# Altium PCB Board_EP1C6T144I8N.PcbDoc (part 1 of 2) (continued)
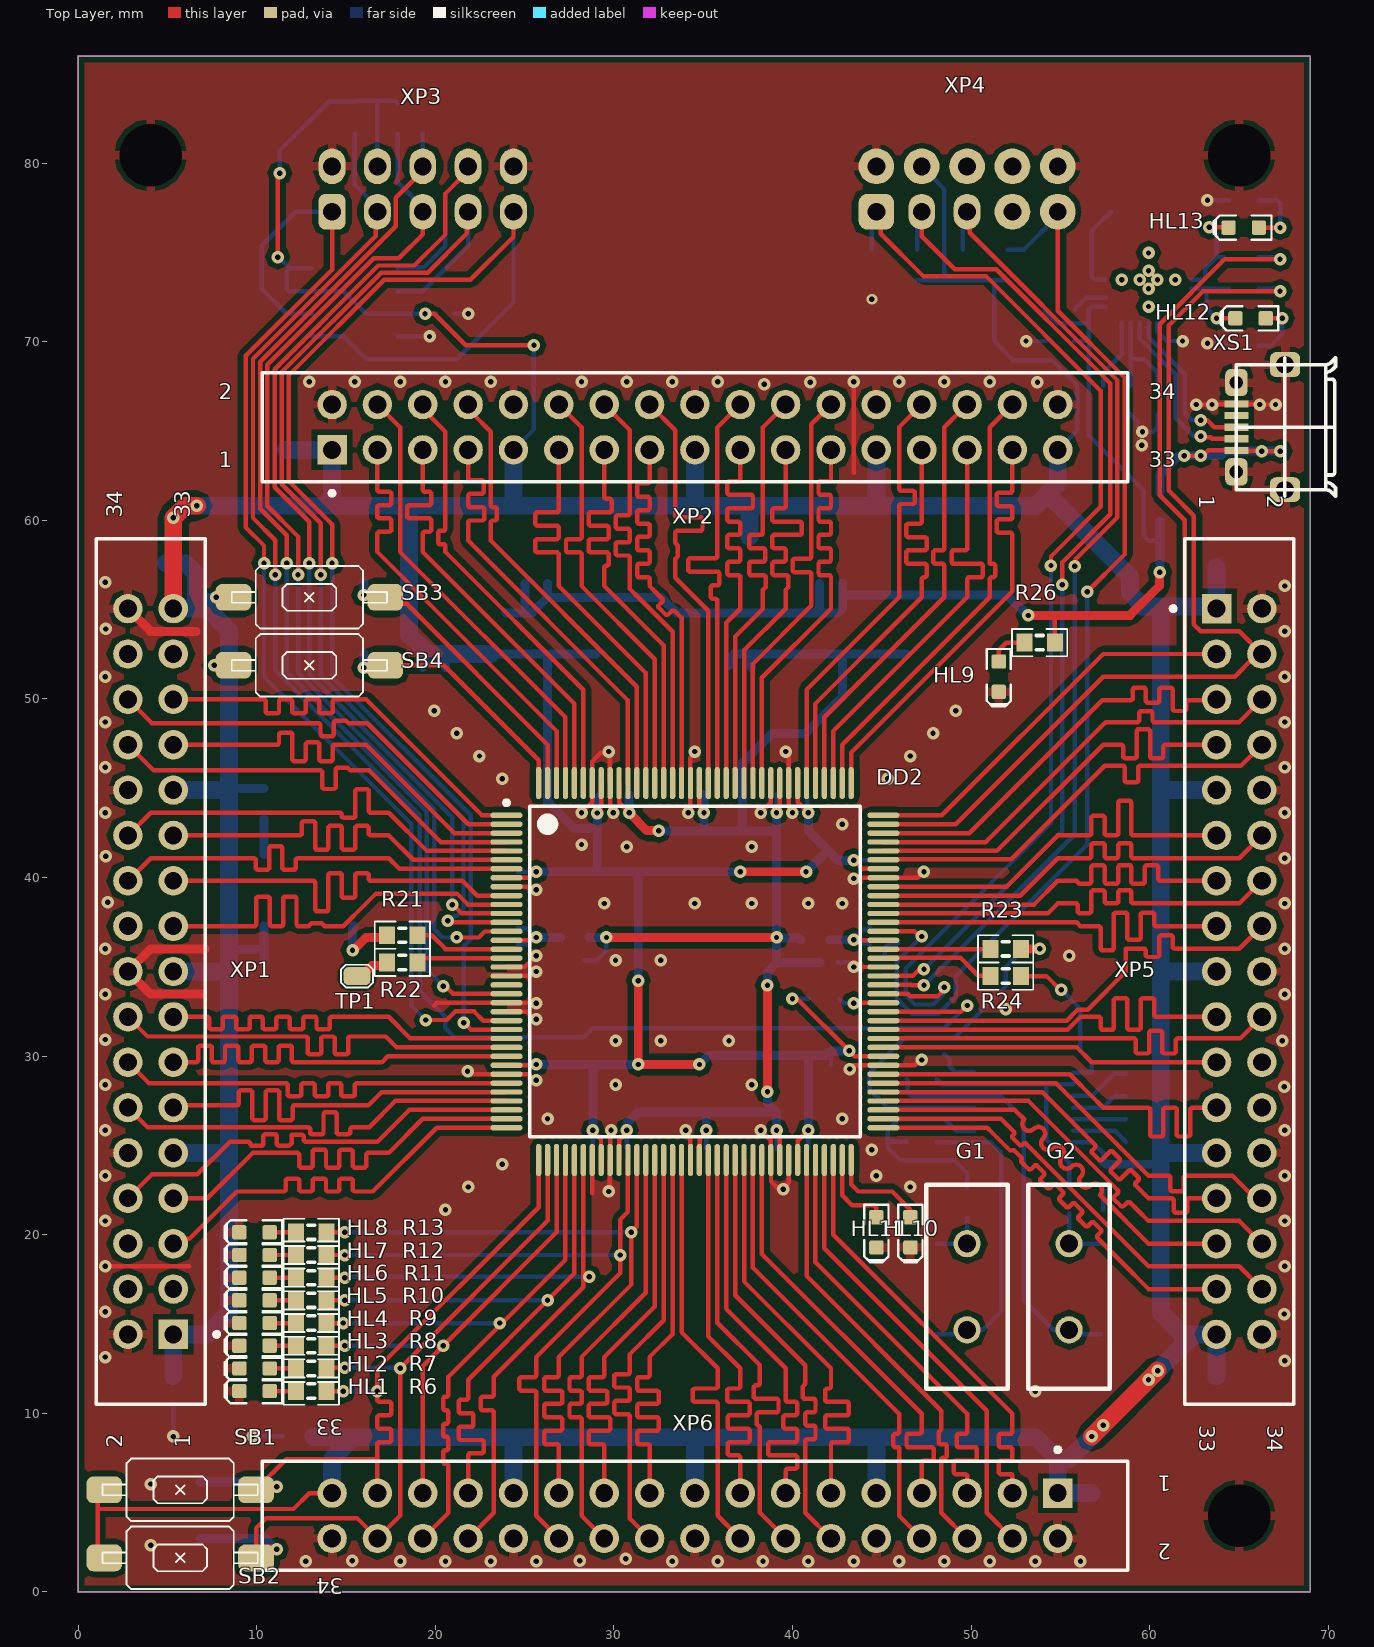
[diagram p0: Top Layer view]
## Footprints (in the part's own frame and the unit in brackets; to place one, negate y for a bottom-side part, rotate by r counter-clockwise, add the part's x,y. Pads: shape width x height; smd on the part's side, far side on the other; paste and mask are expansions set on the pad) (continued)
  silkscreen extent -2.53,-2.5 0.9,2.88, body extent -2,-2.5 2,2.5, height 1.75
SOT223_M [mm] "SOT223, 4-Leads, Body 6.5x3.5mm, Pitch 2.3mm, Lead Span 7mm, IPC Low Density"
  rect 2.7x1 smd: 1(-2.95,2.3) 2(-2.95,0) 3(-2.95,-2.3)
  rect 2.7x3.3 smd: 4(2.95,0)
  silkscreen extent -3.07,-3.35 1.3,3.47, body extent -3.65,-3.35 3.65,3.35, height 1.7
TQFP144_N [mm] "Thin QFP, 144-Leads, Body 20x20mm, Pitch 0.5mm, IPC Medium Density"
  oval 1.8x0.3 smd: 1(-10.55,8.75) 2(-10.55,8.25) 3(-10.55,7.75) 4(-10.55,7.25) 5(-10.55,6.75) 6(-10.55,6.25) 7(-10.55,5.75) 8(-10.55,5.25) 9(-10.55,4.75) 10(-10.55,4.25) 11(-10.55,3.75) 12(-10.55,3.25) 13(-10.55,2.75) 14(-10.55,2.25) 15(-10.55,1.75) 16(-10.55,1.25) 17(-10.55,0.75) 18(-10.55,0.25) 19(-10.55,-0.25) 20(-10.55,-0.75) 21(-10.55,-1.25) 22(-10.55,-1.75) 23(-10.55,-2.25) 24(-10.55,-2.75) 25(-10.55,-3.25) 26(-10.55,-3.75) 27(-10.55,-4.25) 28(-10.55,-4.75) 29(-10.55,-5.25) 30(-10.55,-5.75) 31(-10.55,-6.25) 32(-10.55,-6.75) 33(-10.55,-7.25) 34(-10.55,-7.75) 35(-10.55,-8.25) 36(-10.55,-8.75) 73(10.55,-8.75) 74(10.55,-8.25) 75(10.55,-7.75) 76(10.55,-7.25) 77(10.55,-6.75) 78(10.55,-6.25) 79(10.55,-5.75) 80(10.55,-5.25) 81(10.55,-4.75) 82(10.55,-4.25) 83(10.55,-3.75) 84(10.55,-3.25) 85(10.55,-2.75) 86(10.55,-2.25) 87(10.55,-1.75) 88(10.55,-1.25) 89(10.55,-0.75) 90(10.55,-0.25) 91(10.55,0.25) 92(10.55,0.75) 93(10.55,1.25) 94(10.55,1.75) 95(10.55,2.25) 96(10.55,2.75) 97(10.55,3.25) 98(10.55,3.75) 99(10.55,4.25) 100(10.55,4.75) 101(10.55,5.25) 102(10.55,5.75) 103(10.55,6.25) 104(10.55,6.75) 105(10.55,7.25) 106(10.55,7.75) 107(10.55,8.25) 108(10.55,8.75)
  oval 0.3x1.8 smd: 37(-8.75,-10.55) 38(-8.25,-10.55) 39(-7.75,-10.55) 40(-7.25,-10.55) 41(-6.75,-10.55) 42(-6.25,-10.55) 43(-5.75,-10.55) 44(-5.25,-10.55) 45(-4.75,-10.55) 46(-4.25,-10.55) 47(-3.75,-10.55) 48(-3.25,-10.55) 49(-2.75,-10.55) 50(-2.25,-10.55) 51(-1.75,-10.55) 52(-1.25,-10.55) 53(-0.75,-10.55) 54(-0.25,-10.55) 55(0.25,-10.55) 56(0.75,-10.55) 57(1.25,-10.55) 58(1.75,-10.55) 59(2.25,-10.55) 60(2.75,-10.55) 61(3.25,-10.55) 62(3.75,-10.55) 63(4.25,-10.55) 64(4.75,-10.55) 65(5.25,-10.55) 66(5.75,-10.55) 67(6.25,-10.55) 68(6.75,-10.55) 69(7.25,-10.55) 70(7.75,-10.55) 71(8.25,-10.55) 72(8.75,-10.55) 109(8.75,10.55) 110(8.25,10.55) 111(7.75,10.55) 112(7.25,10.55) 113(6.75,10.55) 114(6.25,10.55) 115(5.75,10.55) 116(5.25,10.55) 117(4.75,10.55) 118(4.25,10.55) 119(3.75,10.55) 120(3.25,10.55) 121(2.75,10.55) 122(2.25,10.55) 123(1.75,10.55) 124(1.25,10.55) 125(0.75,10.55) 126(0.25,10.55) 127(-0.25,10.55) 128(-0.75,10.55) 129(-1.25,10.55) 130(-1.75,10.55) 131(-2.25,10.55) 132(-2.75,10.55) 133(-3.25,10.55) 134(-3.75,10.55) 135(-4.25,10.55) 136(-4.75,10.55) 137(-5.25,10.55) 138(-5.75,10.55) 139(-6.25,10.55) 140(-6.75,10.55) 141(-7.25,10.55) 142(-7.75,10.55) 143(-8.25,10.55) 144(-8.75,10.55)
  silkscreen extent -10.67,-9.25 9.25,9.57, body extent -10,-10 10,10, height 1.6
TSSOP14 [mm] "Shrink Small Outline; 14 Leads; Body Width 4.4 mm; Pitch 0.65 mm"
  rect 0.3x1.65 smd: 1(-1.95,-2.775) 2(-1.3,-2.775) 3(-0.65,-2.775) 4(0,-2.775) 5(0.65,-2.775) 6(1.3,-2.775) 7(1.95,-2.775) 8(1.95,2.775) 9(1.3,2.775) 10(0.65,2.775) 11(0,2.775) 12(-0.65,2.775) 13(-1.3,2.775) 14(-1.95,2.775)
  silkscreen extent -2.77,-2.9 2.55,1.55

## Part data
C1 C11 C12 C13 C14 C15 C16 C17 C18 C19 C20 C21 C22 C23 C24 C25 C26 C27 C28 C29 C30 C31 C34 C35 C38 C39: library part CAPC1005(0402)N, Digi-Key Part Number=?, HelpURL=?, Manufacturer Part Number=?, Note=?, Package=?, Part Number=CAPC1005(0402)N, Price$=?
C2 C3 C4 C5 C10 C40 C41 C42 C43: library part CAPC1608(0603), "?", Digi-Key Part Number=?, HelpURL=?, Manufacturer Part Number=?, Note=?, Package=?, Part Number=CAPC1608(0603), Price$=?
C6 C7 C8 C9 C44 C45 C46 C47: library part CAPC2012(0805), "CAP CER 47UF 6.3V X5R 0805", Digi-Key Part Number=490-13249-1-ND, Manufacturer Part Number=GRM219R60J476ME44D, Package=0805, HelpURL=https://www.digikey.com/product-detail/en/murata-electronics/GRM219R60J476ME44D/490-13249-1-ND/5877457, Part Number=CAPC2012(0805), Price$=0.64
C32 C33 C36 C37: library part CapTantA, Part Number=CapTantA
DD1: "IC INVERTER SCHMITT 6CH 14TSSOP", HelpURL=https://www.digikey.com/product-detail/en/texas-instruments/SN74HC14PWR/296-8234-1-ND/376675, Part Number=SN74HC14PWR
DS1: "IC CONFIG DEVICE 1MBIT 8SOIC", Supplier Part Number 1=544-1241-5-ND, Code_IPC=SOIC127P600-8, Code_JEDEC=MS-012-AA, ComponentLink1Description="Manufacturer Link", ComponentLink1URL=http://www.altera.com/products/devices/config/cfg-index.html, ComponentLink2Description="Configuration Handbook", ComponentLink2URL=http://www.altera.com/literature/hb/cfg/config_handbook.pdf, ComponentLink3Description="Pinout Specification", ComponentLink3URL=http://www.altera.com/literature/hb/cfg/cyc_c51014.pdf, ComponentLink4Description="Packaging Specification", ComponentLink4URL=http://www.altera.com/literature/ds/dspkg.pdf, Configures="Cyclone II, Stratix II, & Cyclone Devices", DatasheetVersion="ver2.0, Oct-2003", HelpURL=https://www.altera.com/en_US/pdfs/literature/hb/cfg/cyc_c51014.pdf, LatestRevisionDate=13-Apr-2006, LatestRevisionNote="IPC-7351 Footprint Added.", PackageDescription="8-Pin Small Outline Integrated Circuit Package (SOIC8)", PackageReference=SOIC8, PackageVersion="ver14.2, Oct-2005", Part Number=EPCS1SI8N, Price$=4.02, Published=17-Sep-2003, Publisher="Altium Limited", Supplier 1=Digi-Key
G1 G2: library part "Crystal HC-49/S", "Crystal HC-49/S", Part Number="Crystal HC-49/S"
HL1 HL7 HL8 HL9 HL10 HL13: library part LED-0603-GREEN, "LED GREEN DIFFUSED 0603 SMD", Digi-Key Part Number=732-12017-1-ND, Manufacturer Part Number=150060VS55040, Package=?, HelpURL=https://www.digikey.com/products/en?keywords=732-12017-1-ND, Note=?, Part Number=LED-0603-GREEN, Price$=?
HL2 HL3 HL4 HL5 HL6 HL11 HL12: library part LED-0603-BLUE, "LED BLUE DIFFUSED 0603 SMD", Digi-Key Part Number=732-12013-1-ND, Manufacturer Part Number=150060BS55040, Package=0603, HelpURL=https://www.digikey.com/products/en?keywords=732-12013-1-ND, Note=?, Part Number=LED-0603-BLUE, Price$=?
Q1: library part SG-8002JF, Part Number=SG-8002JF
R1 R3 R4 R5 R6 R7 R8 R9 R10 R11 R12 R13 R21 R22 R23 R24 R35 R36: library part RESC1608(0603), Digi-Key Part Number=???, HelpURL=???, Manufacturer Part Number=???, Note=???, Package=???, Part Number=RESC1608(0603), Price$=???
R2 R14 R15 R16 R17 R18 R19 R20 R27 R28 R29 R30: library part RESC1005(0402), Digi-Key Part Number=???, HelpURL=???, Manufacturer Part Number=???, Note=???, Package=???, Part Number=RESC1005(0402), Price$=???
R25: library part RESC1005(0402), "Resistor", Digi-Key Part Number=???, HelpURL=???, Manufacturer Part Number=???, Note=???, Package=???, Part Number=RESC1005(0402), Price$=???
R26 R31 R32 R33 R34 XS1: Digi-Key Part Number=???, Manufacturer Part Number=???, Note=???, Package=???, Price$=???
  R26 R31 R32 R33 R34: HelpURL=???, Part Number=RESC1608(0603)
  XS1: HelpURL=https://www.digikey.com/product-detail/en/amphenol-icc-fci/10118194-0001LF/609-4618-1-ND/2785382, Part Number="MICRO_USB _B"
SB1 SB2 SB3 SB4: "Tactile Switches Tact 50mA 12VDC, 6.0x3.5, 4.3mm H, 180gf, G leads, No ground pin, Black Actuator", Mouser Part Number=611-PTS636SM43SMTRLF, Package=2pinSMD, HelpURL=https://eu.mouser.com/ProductDetail/CK/PTS636-SM43-SMTR-LFS?qs=sGAEpiMZZMsgGjVA3toVBC4OPD95ORcgaeKhIDqe9Es%3D, Manufacturer Part Number="PTS636 SM43 SMTR LFS", Part Number="PTS636 SM43 SMTR LFS", Price$=0.11
TP1: library part TP-1.27-1-TOP-RR, Part Number=TP-1.27-1-TOP-RR
XP3 XP4: library part 3220-10-0100-00, Digi-Key Part Number=1175-1627-ND, HelpURL=https://www.digikey.com/product-detail/en/cnc-tech/3220-10-0100-00/1175-1627-ND/3883661, Part Number=3220-10-0100-00
ZL1 ZL2 ZL3: "ferite bead", Digi-Key Part Number=???, Manufacturer Part Number=???, Note=???, Package=???, Part Number=Ferite1608(0603), Price$=???
DA1 DA2: HelpURL=http://www.mouser.com/ds/2/389/CD00000544-310772.pdf, Part Number=LD1117S33T
DA3: HelpURL=https://www.sparkfun.com/datasheets/IC/cp2102.pdf, Part Number=CP2102
DD2: Code_JEDEC=MS-026-BFB, ComponentLink1Description="Manufacturer Link", ComponentLink1URL=http://www.altera.com/products/devices/cyclone/cyc-index.jsp, ComponentLink2Description=Handbook, ComponentLink2URL=http://www.altera.com/literature/hb/cyc/cyc_c5v1.pdf, ComponentLink3Description="Packaging Specification", ComponentLink3URL=http://www.altera.com/literature/ds/dspkg.pdf, DatasheetVersion="ver2.4, May-2008", LatestRevisionDate=13-Apr-2006, LatestRevisionNote="Pin 2 name fix, IPC-7351 Footprint Added.", PackageDescription="144-Pin Plastic Thin Quad Flat Pack (TQFP144) - Wire Bond", PackageReference=TQFP144, PackageVersion="ver15.4, Dec-2008", Part Number=EP1C6T144I8N, Published=18-Aug-2005, Publisher="Altium Limited"
X1 X2 X3 X4 X5: Part Number=PLLS1.27-1-TOP-R
XP1 XP2 XP5 XP6: Part Number=IDC2.54-V34-TE

## Free pads (board coordinates)
  round 3 hole 3.5: 0(4.06,80.46) 0(65.02,4.26) 0(65.02,80.46)

## Via types
v1: diameter 0.7, hole 0.3, Top Layer to Bottom Layer, tented both sides, 254 vias
v2: diameter 0.6, hole 0.3, Top Layer to Bottom Layer, tented both sides, 1 vias

## Nets (pads, with @x,y where several pads share a name; then routed paths per layer and width w, separated by ;. In a path a pad name is that pad's centre, name@x,y a point inside that pad or via, vN(x,y) a via of type N, cw(c..) or ccw(c..) an arc to the next point about the centre after c; other vN are vias at no path point)
+1v5: C15.1 C16.1 C17.1 C19.1 C21.1 C23.1 C25.1 C29.1 C37.1 C39.2 DA2.2 DA2.4 DD2.46 DD2.55 DD2.64 DD2.117 DD2.126 DD2.135 ZL1.1 ZL2.1 | length 96.1
  Top Layer w0.25: DD2.46@30.3,24.2 30.3,25.326 30.73,25.756 v1(30.73,25.85) ; DD2.135@30.3,45.28 30.3,44.187 v1(30.857,43.63) ; DD2.126@34.79,45.29 34.79,43.983 35.048,43.725 v1(35.048,43.63) ; DD2.55@34.8,24.2 34.8,25.38 35.175,25.755 v1(35.175,25.85) ; DD2.64@39.29,24.19 v1@39.29,25.577 ; v1@39.29,43.903 DD2.117@39.29,45.29
  Top Layer w0.5: v1(29.587,36.645) v1(39.112,36.645) ; v1(30.857,43.63) 31.854,42.633 32.489,42.633 v1(32.508,42.614) ; v1(38.604,28.009) v1(38.604,33.978)
  Bottom Layer w0.25: C16.1@28.309,35.375 29.036,35.375 29.587,35.926 v1(29.587,36.645) ; C29.1@30.73,24.818 v1@30.73,25.723 ; v1(35.048,43.63) C21.1@35.048,44.654 ; C15.1@35.175,24.826 v1(35.175,25.85) ; C25.1@39.112,24.826 v1@39.112,25.723 ; v1(39.112,43.63) C23.1@39.112,44.654
  Bottom Layer w0.5: ZL1.1@28.609,36.645 v1(29.587,36.645) ; v1(30.73,25.85) 30.73,26.231 31.365,26.866 35.175,26.866 ; v1(30.857,43.63) C19.1@30.857,44.654 ; v1(32.508,42.614) 35.048,42.614 ; C21.1@35.048,44.654 v1(35.048,43.63) 35.048,42.614 ; v1(35.175,25.85) 35.175,26.866 ; C37.1@36.445,51.885 36.445,52.227 36.738,52.52 37.715,52.52 ; C39.2@37.715,51.75 37.715,52.52 ; v1(38.604,28.009) 38.604,27.374 39.112,26.866 ; v1(38.604,33.978) 38.604,34.74 39.112,35.248 ; v1(39.112,25.85) 39.112,26.866 ; v1(39.112,43.63) 39.112,42.614 ; ZL2.1@40.471,36.518 40.363,36.626 39.131,36.626 v1(39.112,36.645) ; C17.1@41.533,35.248 39.112,35.248 ; DA2.4@46.38,52.52 42.502,52.52 ; 35.048,42.614 37.207,42.614 ; 35.175,26.866 39.112,26.866 ; 37.207,42.614 37.207,46.424 38.858,48.075 40.751,48.075 42.795,50.119 42.795,52.227 42.502,52.52 ; 37.207,42.614 39.112,42.614 ; 37.715,52.52 DA2.2@40.48,52.52 42.502,52.52 ; 39.112,35.248 v1(39.112,36.645) ; v1(39.112,36.645) 39.112,42.614
+3V3: C1.2 C3.1 C6.2 C7.2 C8.2 C9.2 C11.2 C12.1 C13.1 C14.1 C18.1 C20.1 C22.1 C24.1 C28.1 C36.1 C38.2 C44.2 C45.2 C46.2 C47.2 DA1.2 DA1.4 DD1.14 DD2.8 DD2.29 DD2.44 DD2.66 DD2.81 DD2.102 DD2.115 DD2.137 DS1.3 DS1.7 DS1.8 Q1.4 R2.1 R14.2 R15.2 R25.2 R28.2 R29.2 R30.2 SB1.1 SB2.1 SB3.1 SB4.1 XP1.1 XP1.9 XP1.17 XP1.25 XP1.33 XP2.1 XP2.9 XP2.17 XP2.25 XP2.33 XP3.4 XP4.4 XP5.1 XP5.9 XP5.17 XP5.25 XP5.33 XP6.1 XP6.9 XP6.17 XP6.25 XP6.33 | length 499.3
  Top Layer w0.25: SB2.1@1.465,1.905 1.1,2.27 1.1,4.641 ; SB1.1@1.465,5.715 1.1,5.35 1.1,4.641 ; v1(11.172,74.745) 11.172,79.317 v1(11.299,79.444) ; XP6.33@14.22,5.53 12.95,5.53 12.061,4.641 1.1,4.641 ; v1(19.427,71.57) 19.935,71.57 21.699,69.806 v1(25.525,69.806) ; DD2.29@24,29.5 25.617,29.5 v1(25.65,29.533) ; DD2.8@24,40 25.227,40 25.555,40.328 v1(25.65,40.328) ; v1(28.825,25.85) 28.825,25.806 29.28,25.351 DD2.44@29.28,24.2 ; v1(29.079,43.614) 29.079,43.725 29.29,43.936 DD2.137@29.29,45.29 ; v1(40.001,33.216) 40.255,33.216 v1(43.176,30.295) 43.471,30 DD2.81@45.08,30 ; DD2.66@40.3,24.2 40.3,25.26 v1(40.89,25.85) ; DD2.115@40.3,45.28 40.3,44.22 v1(40.89,43.63) ; v1(43.43,40.963) 43.458,40.963 43.921,40.5 DD2.102@45.08,40.5
  Top Layer w0.5: v1(7.616,51.885) SB4.1@8.7,51.885 ; v1(31.365,34.232) v1(31.365,29.533) v1(34.794,29.533) ; v1(37.08,40.328) v1(40.763,40.328)
  Top Layer w1: XP1.33@5.33,55.06 v1(5.33,60.14) 6.014,60.824 v1(6.649,60.824) ; v1(56.765,8.705) v1(57.4,9.34) v1(59.94,11.88) v1(60.448,12.388)
  Bottom Layer w0.25: 8.456,35.961 8.505,36.01 ; 8.456,44.9 8.544,44.988 ; v1(11.172,74.745) 11.236,74.745 11.871,74.11 ; v1(11.299,79.444) 11.299,80.714 14.035,83.45 15.598,83.45 15.656,83.508 16.687,83.508 ; DS1.8@13.09,74.11 11.871,74.11 ; XP3.4@16.76,79.825 16.76,83.435 16.687,83.508 ; R15.2@17.903,83.342 17.737,83.508 16.687,83.508 ; C11.2@20.07,71.57 v1(19.427,71.57) DS1.3@17.89,71.57 16.125,71.57 14.855,72.84 11.83,72.84 11.684,72.986 11.684,73.923 11.871,74.11 ; XP2.9@24.38,63.95 25.525,65.095 v1(25.525,69.806) ; C12.1@24.626,29.533 v1@25.523,29.533 ; C13.1@24.626,40.328 v1(25.65,40.328) ; C18.1@28.825,24.961 v1(28.825,25.85) ; v1(29.079,43.614) 29.098,43.633 29.145,43.679 29.145,44.519 C28.1@29.21,44.585 ; v1(40.001,33.216) R25.2@40.929,33.216 ; C22.1@40.763,44.654 40.826,44.591 40.826,43.693 v1(40.89,43.63) ; C14.1@40.89,24.826 v1@40.89,25.977 ; C20.1@42.16,29.525 42.16,30.295 ; v1(43.43,40.963) C24.1@44.446,40.963 ; R30.2@46.99,73.445 48.51,73.445 ; XP4.4@47.24,79.825 48.51,78.555 48.51,73.445 ; R28.2@52.07,73.445 51.304,73.445 ; XP2.33@54.86,63.95 55.96,65.05 55.96,67.549 54.531,68.978 52.372,68.978 51.304,70.046 51.304,73.445 ; DD1.14@55.73,25.17 56.81,25.17 57.4,24.58 C3.1@57.4,24.11 ; 48.51,73.445 R29.2@49.53,73.445 51.304,73.445
  Bottom Layer w0.5: 6.981,55.695 v1(7.743,55.695) ; v1(7.616,51.885) 7.635,51.866 8.27,51.866 8.378,51.758 ; 8.456,35.961 10.41,35.961 ; 8.544,44.988 R2.1@10.41,44.988 ; C1.2@10.41,35.24 10.41,35.961 ; Q1.4@10.41,37.28 10.41,35.961 ; C36.1@19.3,51.75 19.3,52.227 19.593,52.52 ; C38.2@20.57,51.75 20.57,52.52 ; DA1.2@23.11,52.52 26.285,52.52 ; v1(25.65,29.533) 28.698,29.533 ; v1(25.65,40.328) 29.079,40.328 ; v1(28.825,25.85) 28.825,29.406 28.698,29.533 ; DA1.4@29.01,52.52 26.285,52.52 ; v1(29.079,43.614) 29.079,42.741 ; v1@29.098,43.633 29.098,44.473 C28.1@29.145,44.519 ; v1(31.365,29.533) 28.698,29.533 ; v1(31.365,34.232) 31.365,40.328 ; v1(34.794,29.533) 35.302,30.041 40.89,30.041 ; v1(37.08,40.328) 31.365,40.328 ; v1(40.763,40.328) 41.969,41.534 ; v1(40.89,25.85) 40.89,30.041 ; v1(40.89,43.63) 40.89,42.614 41.969,41.534 ; v1(43.176,30.295) 42.16,30.295 41.906,30.041 40.89,30.041 ; v1(43.43,40.963) 42.541,40.963 41.969,41.534 ; C3.1@57.4,24.11 57.565,23.945 60.575,23.945 ; 26.285,52.52 26.285,44.265 27.809,42.741 29.079,42.741 ; 29.079,40.328 29.079,42.741 ; 29.079,40.328 31.365,40.328
  Bottom Layer w1: C7.2@4.91,57.6 6.014,57.6 6.6,57.014 6.6,55.695 7.235,55.06 ; C9.2@5.33,12.095 XP1.1@5.33,14.42 7.235,14.42 8.456,15.641 8.456,24.58 ; XP1.9@5.33,24.58 8.456,24.58 ; XP1.17@5.33,34.74 8.456,34.74 ; XP1.25@5.33,44.9 8.456,44.9 ; XP1.33@5.33,55.06 7.235,55.06 ; v1(5.33,60.14) 6.014,60.824 v1(6.649,60.824) 18.538,60.824 ; C8.2@11.641,63.95 XP2.1@14.22,63.95 14.22,60.904 ; C44.2@13.165,8.705 13.214,8.656 15.441,8.656 ; XP6.33@14.22,5.53 14.22,7.435 15.441,8.656 ; DA1.2@23.11,52.52 20.57,52.52 19.593,52.52 18.538,53.575 18.538,60.824 ; XP6.25@24.38,5.53 24.38,8.656 ; XP2.9@24.38,63.95 24.38,60.824 ; XP6.17@34.54,5.53 34.54,8.656 ; XP2.17@34.54,63.95 34.54,60.824 ; C6.2@37.588,59.085 37.588,60.824 ; XP6.9@44.7,5.53 44.7,8.656 ; XP2.25@44.7,63.95 44.7,60.824 ; XP2.33@54.86,63.95 54.86,62.045 54.288,61.473 ; C46.2@56.765,5.53 XP6.1@54.86,5.53 54.86,7.435 ; v1(57.4,9.34) v1(56.765,8.705) 55.495,7.435 54.86,7.435 ; v1(59.94,11.88) v1(60.448,12.388) 62.48,14.42 ; 60.624,55.138 60.624,44.9 ; C47.2@63.75,12.095 XP5.33@63.75,14.42 62.48,14.42 ; XP5.25@63.75,24.58 60.624,24.58 ; XP5.17@63.75,34.74 60.624,34.74 ; XP5.9@63.75,44.9 60.624,44.9 ; C45.2@63.75,57.385 XP5.1@63.75,55.06 63.623,55.187 59.576,55.187 59.576,55.263 58.894,55.946 58.894,56.868 54.288,61.473 ; 7.235,55.06 8.456,53.839 8.456,44.9 ; 8.456,24.58 8.456,34.74 ; 8.456,34.74 8.456,35.961 8.456,44.9 ; 15.441,8.656 24.38,8.656 ; 18.538,60.824 24.38,60.824 ; 24.38,8.656 34.54,8.656 ; 24.38,60.824 34.54,60.824 ; 34.54,8.656 44.7,8.656 ; 34.54,60.824 37.588,60.824 ; 37.588,60.824 44.7,60.824 ; 44.7,8.656 53.639,8.656 54.86,7.435 ; 44.7,60.824 53.639,60.824 54.288,61.473 ; 60.624,24.58 60.624,15.641 61.845,14.42 62.48,14.42 ; 60.624,24.58 60.624,34.74 ; 60.624,34.74 60.624,44.9
+5V: C32.1 C33.1 C34.2 C35.2 C42.2 C43.2 DA1.3 DA2.3 DA3.7 DA3.8 R26.2 R31.2 ZL3.2 | length 73.7
  Top Layer w0.25: R26.2@54.694,53.155 54.694,54.64 54.733,54.679
  Top Layer w0.5: v1(53.209,54.679) 54.733,54.679 58.9,54.679 60.556,56.335 60.556,57.073 v1(60.575,57.092)
  Bottom Layer w0.25: R31.2@54.137,71.824 54.137,71.774 54.862,71.049 56.6,71.049 ; C43.2@55.787,70.046 56.591,70.046 ; C42.2@57.4,67.544 57.4,68.268 ; DA3.8@57.54,71.975 56.746,71.975 56.6,71.829 56.6,71.049 ; DA3.7@58.44,71.075 58.44,69.308 57.4,68.268 ; 60.575,58.743 60.448,58.87 59.94,58.87 59.705,59.105 59.686,59.124 59.686,61.664 56.6,64.75 56.6,68.268 ; 56.6,68.268 56.6,71.049 ; 56.6,68.268 57.4,68.268
  Bottom Layer w0.5: DA1.3@23.97,54.82 25.015,54.82 ; C32.1@25.015,56.465 25.015,54.82 ; C34.2@26.285,56.465 26.285,55.695 ; C33.1@41.525,56.465 41.525,55.07 DA2.3@41.275,54.82 ; C35.2@42.795,56.465 42.795,55.822 ; v1(53.209,54.679) 53.182,54.679 52.039,55.822 42.795,55.822 ; v1(60.575,57.092) 60.575,58.743 ZL3.2@60.575,59.975 ; 25.015,54.82 25.41,54.82 26.285,55.695 ; 26.285,55.695 32.635,55.695 33.51,54.82 DA2.3@40.48,54.82 DA2.3@41.275,54.82 ; DA2.3@41.275,54.82 42.555,54.82 42.795,55.06 42.795,55.822
CLK_1: Q1.3 R21.1 | length 3.7
  Top Layer w0.5: v1(15.368,35.926) 15.395,35.926 16.107,36.638 17.173,36.638 R21.1@17.307,36.772
  Bottom Layer w0.5: v1(15.368,35.926) 15.368,37.116 15.471,37.219 Q1.3@15.41,37.28
CLK_2: DD1.4 R23.1 | length 21.3
  Top Layer w0.5: R23.1@52.789,36.01 v1(53.844,36.01)
  Bottom Layer w0.25: DD1.4@50.18,27.12 45.331,27.12 44.3,28.151 44.3,29.044 46.294,31.038 49.072,31.038 51.939,33.905 51.939,34.994 52.955,36.01 v1(53.844,36.01)
CLK_3: DD1.8 R24.1 X1.1 | length 9
  Top Layer w0.25: R24.1@52.789,34.486 54.225,34.486 54.987,33.724 v1(55.05,33.724)
  Bottom Layer w0.25: v1(55.05,33.724) 56.13,32.644 X1.1@56.13,30.295 56.765,29.66 56.765,29.07 DD1.8@55.73,29.07 DD1.8@55.752,29.047
GND: C1.1 C2.1 C3.2 C4.1 C5.1 C6.1 C7.1 C8.1 C9.1 C10.1 C11.1 C12.2 C13.2 C14.2 C15.2 C16.2 C17.2 C18.2 C19.2 C20.2 C21.2 C22.2 C23.2 C24.2 C25.2 C26.2 C27.2 C28.2 C29.2 C30.2 C31.2 C32.2 C33.2 C34.1 C35.1 C36.2 C37.2 C38.1 C39.1 C40.1 C41.1 C42.1 C43.1 C44.1 C45.1 C46.1 C47.1 DA1.1 DA2.1 DA3.3 DD1.7 DD2.9 DD2.18 DD2.19 DD2.22 DD2.23 DD2.30 DD2.43 DD2.45 DD2.54 DD2.63 DD2.65 DD2.80 DD2.91 DD2.101 DD2.116 DD2.118 DD2.127 DD2.136 DD2.138 DS1.4 HL1.K HL2.K HL3.K HL4.K HL5.K HL6.K HL7.K HL8.K HL9.K HL10.K HL11.K pad.0 Q1.2 R16.1 R17.1 R18.2 R19.1 R20.1 R27.2 R32.1 R33.2 R34.2 XP1.2 XP1.10 XP1.18 XP1.26 XP1.34 XP2.2 XP2.10 XP2.18 XP2.26 XP2.34 XP3.2 XP3.10 XP4.2 XP4.10 XP5.2 XP5.10 XP5.18 XP5.26 XP5.34 XP6.2 XP6.10 XP6.18 XP6.26 XP6.34 XS1.5 XS1.6 | length 104.8
  Top Layer w0.25: 1.901,18.23 6.219,18.23 ; 19.935,32.835 20.09,32.99 DD2.22@23.99,32.99 24,32.98 25.632,32.98 v1(25.65,32.962) ; v1(21.808,29.152) 21.97,28.99 DD2.30@23.99,28.99 ; DD2.23@23.99,32.49 24,32.48 25.148,32.48 25.555,32.073 v1(25.65,32.073) ; DD2.19@23.99,34.49 25.305,34.49 25.555,34.74 v1(25.65,34.74) ; DD2.9@23.99,39.49 25.377,39.49 25.555,39.312 v1(25.65,39.312) ; DD2.30@24,28.98 25.219,28.98 25.555,28.644 v1(25.65,28.644) ; DD2.18@24,35 25.021,35 v1(25.65,35.629) ; v1(28.19,43.63) 28.78,44.22 DD2.138@28.78,45.28 ; 28.79,22.329 DD2.43@28.79,24.19 ; DD2.138@28.79,45.29 28.8,45.3 28.8,46.526 29.266,46.992 29.647,46.992 v1(29.714,47.059) 29.78,46.993 29.78,45.3 DD2.136@29.79,45.29 29.79,43.903 29.968,43.725 v1(29.968,43.63) ; v1(29.714,22.421) 29.78,22.487 29.78,24.18 DD2.45@29.79,24.19 29.8,24.2 29.8,25.714 29.841,25.755 v1(29.841,25.85) ; v1(34.032,25.85) 34.032,25.755 34.29,25.497 DD2.54@34.29,24.19 ; v1(34.159,43.63) 34.159,43.725 34.29,43.856 DD2.127@34.29,45.29 34.29,46.714 34.54,46.964 v1(34.54,47.059) ; v1(38.223,25.85) 38.78,25.293 DD2.63@38.78,24.2 ; v1(38.223,43.63) 38.78,44.187 DD2.118@38.78,45.28 ; DD2.63@38.79,24.19 38.8,24.18 38.8,22.98 39.232,22.548 v1(39.493,22.548) 39.493,22.632 39.79,22.929 DD2.65@39.79,24.19 ; v1(39.62,47.059) 39.62,46.964 39.79,46.794 DD2.116@39.79,45.29 39.79,43.936 40.001,43.725 v1(40.001,43.63) ; v1(43.209,29.279) 43.243,29.279 43.463,29.5 DD2.80@45.08,29.5 ; v1(43.43,34.994) 43.432,34.992 DD2.91@45.088,34.992 ; v1(43.43,39.947) 43.463,39.98 DD2.101@45.08,39.98 ; 43.43,62.68 43.43,67.379 ; DD2.80@45.09,29.49 46.848,29.49 47.145,29.787 v1(47.24,29.787) ; DD2.101@45.09,39.99 47.029,39.99 v1(47.367,40.328) ; v1(62.607,66.49) v1(63.496,66.49) 63.511,66.505 64.845,66.505 XS1.5@64.86,66.52 64.875,66.505 66.148,66.505 v1(66.163,66.49) v1(67.052,66.49)
  Top Layer w0.5: XP1.34@2.79,55.06 4.06,53.79 6.6,53.79 ; 6.854,33.47 4.06,33.47 XP1.18@2.79,34.74 4.06,36.01 7.108,36.01
  Bottom Layer w0.25: v1(5.33,8.705) C9.1@5.33,10.395 ; v1(9.775,8.705) C44.1@11.465,8.705 ; DS1.4@17.89,70.3 v1(19.681,70.3) ; C11.1@21.07,71.57 v1(21.84,71.57) ; C17.2@42.541,35.248 43.176,35.248 ; v1@43.335,34.994 v1(43.43,34.994) ; 45.168,35.57 45.168,36.07 45.293,36.195 C31.2@45.331,36.195 45.456,36.32 45.918,36.32 ; 48.51,30.119 48.815,29.814 48.815,29.413 49.133,29.095 50.155,29.095 DD1.7@50.18,29.07 ; v1(53.082,70.046) C43.1@54.187,70.046 ; 57.4,21.405 C3.2@57.4,22.51 ; C41.1@58.924,65.944 59.298,65.57 59.298,65.287 59.6,64.985 v1(59.6,64.966) ; v1(59.559,64.204) 59.55,64.213 59.55,64.916 v1(59.6,64.966) ; DA3.3@60.44,71.075 60.44,70.562 60.956,70.046 v1(61.845,70.046) ; C40.1@60.448,65.944 60.448,65.22 60.194,64.966 v1(59.6,64.966) ; v1(63.242,69.919) 64.297,69.919 R33.2@64.424,69.792 ; v1(63.242,77.92) R34.2@64.424,77.92
  other v1: 12.752,1.719 18.03,1.72 20.57,1.72 23.11,1.72 25.65,1.72 33.27,1.72 35.81,1.72 38.35,1.72 40.89,1.72 43.43,1.72 45.97,1.72 48.51,1.72 51.05,1.72 53.59,1.72 56.13,1.72 15.358,1.747 28.083,1.747 30.661,1.858 4.06,2.609 4.06,6.038 53.59,11.245 67.561,12.952 1.52,13.15 67.533,15.558 1.52,15.69 1.52,18.23 67.56,18.23 1.52,20.77 67.56,20.77 20.57,21.405 21.84,22.675 46.605,22.675 1.52,23.31 44.7,23.31 67.56,23.31 23.745,23.945 44.45,24.765 1.52,25.85 67.56,25.85 26.285,26.485 42.795,26.485 67.533,28.283 1.52,28.39 30.095,28.39 37.715,28.39 30.095,30.863 32.635,30.863 36.445,30.863 67.422,30.861 1.52,30.93 51.943,32.639 1.52,33.47 67.56,33.47 30.095,35.375 32.635,35.375 55.495,35.629 1.52,36.01 67.56,36.01 29.46,38.55 34.54,38.55 37.715,38.55 40.89,38.55 42.795,38.55 67.56,38.55 1.658,38.619 67.56,41.09 1.547,41.197 30.73,41.725 37.715,41.725 28.19,41.852 26.285,42.995 42.795,42.995 1.52,43.63 67.56,43.63 23.745,45.535 45.335,45.535 1.52,46.17 67.56,46.17 22.475,46.805 46.605,46.805 21.205,48.075 47.875,48.075 1.52,48.71 67.56,48.71 19.935,49.345 49.145,49.345 1.52,51.25 67.56,51.25 67.56,53.79 1.547,53.922 67.56,56.33 1.519,56.528 38.419,67.622 40.997,67.733 53.722,67.733 12.95,67.76 15.49,67.76 18.03,67.76 20.57,67.76 23.11,67.76 28.19,67.76 30.73,67.76 33.27,67.76 35.81,67.76 43.43,67.76 45.97,67.76 48.51,67.76 51.05,67.76
  other v2: 44.45,72.39
NetC2_2: C2.2 DD1.1 G1.1 R1.1 | length 16.9
  Bottom Layer w0.25: C2.2@48.04,14.42 49.526,14.42 G1.1@49.78,14.674 50.669,14.674 51.685,15.69 51.685,24.602 51.117,25.17 DD1.1@50.18,25.17 48.135,25.17 R1.1@48.09,25.215
NetC4_2: C4.2 G1.2 R3.1 | length 3.1
  Bottom Layer w0.25: C4.2@48.09,19.5 G1.2@49.78,19.5 R3.1@49.78,20.936
NetC5_2: C5.2 DD1.5 G2.1 R4.1 | length 23.1
  Bottom Layer w0.25: R4.1@46.394,28.702 46.46,28.636 46.46,27.973 46.663,27.77 51.67,27.77 52.955,26.485 52.955,16.325 54.606,14.674 G2.1@55.495,14.674 55.749,14.42 C5.2@57.235,14.42
NetC10_2: C10.2 G2.2 R5.1 | length 3.4
  Bottom Layer w0.25: R5.1@55.495,21.19 G2.2@55.495,19.5 C10.2@57.235,19.5
NetC26_1: C26.1 C30.1 DD2.15 ZL1.2 | length 5.3
  Top Layer w0.25: DD2.15@23.99,36.49 v1@25.4,36.49
  Bottom Layer w0.25: C26.1@24.626,36.264 25.269,36.264 25.536,36.531 25.637,36.531 25.65,36.518 v1(25.65,36.645) 25.142,37.153 24.654,37.153 C30.1@24.626,37.181
  Bottom Layer w0.5: v1(25.65,36.645) ZL1.2@27.009,36.645
NetC27_1: C27.1 C31.1 DD2.94 ZL2.2 | length 5.3
  Top Layer w0.25: v1(43.43,36.518) 43.448,36.5 DD2.94@45.08,36.5
  Bottom Layer w0.25: C31.1@44.331,36.195 44.206,36.32 43.75,36.32 43.552,36.518 v1(43.43,36.518) 43.43,36.572 43.944,37.086 44.206,37.086 C27.1@44.331,37.211
  Bottom Layer w0.5: ZL2.2@42.071,36.518 v1(43.43,36.518)
NetC40_2: C40.2 C41.2 DA3.6 | length 6.1
  Bottom Layer w0.25: C41.2@58.924,67.544 58.94,67.56 58.94,69.03 ; DA3.6@58.94,71.075 58.94,69.03 ; C40.2@60.448,67.544 60.448,68.268 59.686,69.03 58.94,69.03
NetDA3_4: DA3.4 XS1.3 | length 9.1
  Top Layer w0.25: v1(62.861,65.601) 63.242,65.601 63.623,65.22 XS1.3@64.86,65.22
  Bottom Layer w0.25: DA3.4@59.94,71.075 59.94,70.249 61.972,68.217 61.972,65.982 62.353,65.601 v1(62.861,65.601)
NetDA3_5: DA3.5 XS1.2 | length 10.1
  Top Layer w0.25: v1(62.861,64.712) 62.928,64.645 63.421,64.645 63.496,64.57 XS1.2@64.86,64.57
  Bottom Layer w0.25: DA3.5@59.44,71.075 59.44,70.183 61.464,68.159 61.464,65.728 62.48,64.712 v1(62.861,64.712)
NetDA3_9: DA3.9 R31.1 | length 2
  Bottom Layer w0.25: R31.1@55.837,71.824 55.837,71.874 56.438,72.475 DA3.9@57.54,72.475
NetDA3_11: DA3.11 R32.2 | length 5
  Bottom Layer w0.25: DA3.11@57.54,73.475 56.911,73.475 56.765,73.621 56.765,76.23 57.445,76.91 57.495,76.91 57.82,77.235 R32.2@57.82,77.285
NetDD1_2: DD1.2 DD1.3 R1.2 R3.2 | length 15
  Bottom Layer w0.25: R1.2@46.39,25.215 45.481,25.215 45.335,25.361 ; R3.2@49.78,22.636 49.78,23.461 49.08,24.161 46.035,24.161 45.335,24.861 45.335,25.361 ; DD1.2@50.18,25.82 49.175,25.82 48.525,26.47 ; DD1.3@50.18,26.47 48.525,26.47 ; 45.335,25.361 45.335,25.85 45.955,26.47 48.525,26.47
NetDD1_6: DD1.6 DD1.9 R4.2 R5.2 | length 14.1
  Bottom Layer w0.25: R4.2@48.094,28.702 48.376,28.42 54.225,28.42 ; R5.2@55.495,22.636 55.495,24.041 54.225,25.311 54.225,28.42 ; DD1.9@55.73,28.42 54.225,28.42
NetDD1_10: DD1.10 X2.1 | length 3.5
  Bottom Layer w0.25: DD1.10@55.73,27.77 56.78,27.77 58.035,29.025 X2.1@58.67,29.025
NetDD1_11: DD1.11 X3.1 | length 3.2
  Bottom Layer w0.25: DD1.11@55.73,27.12 57.4,27.12 58.035,27.755 X3.1@58.67,27.755
NetDD1_12: DD1.12 X4.1 | length 2.9
  Bottom Layer w0.25: DD1.12@55.73,26.47 55.738,26.478 58.663,26.478 X4.1@58.67,26.485
NetDD1_13: DD1.13 X5.1 | length 3.2
  Bottom Layer w0.25: DD1.13@55.73,25.82 58.065,25.82 X5.1@58.67,25.215
NetDD2_13: DD2.13 DS1.2 XP3.7 | length 60.5
  Top Layer w0.25: v1(13.585,56.965) 13.585,59.849 11.407,62.027 11.407,68.307 16.975,73.875 17.737,73.875 19.573,73.875 21.754,76.056 21.754,77.199 XP3.7@21.84,77.285 ; v1(20.701,37.592) 20.823,37.592 20.925,37.49 DD2.13@23.99,37.49
  Bottom Layer w0.25: v1(13.585,56.965) 13.585,51.319 21.58,43.324 21.58,38.222 21.214,37.856 21.087,37.856 20.823,37.592 v1(20.701,37.592) ; DS1.2@17.89,72.84 19.3,72.84 21.84,75.38 XP3.7@21.84,77.285
NetDD2_14: DD2.14 R15.1 XP3.5 | length 57.8
  Top Layer w0.25: v1(12.315,56.965) 12.315,59.096 10.594,60.817 10.594,68.718 10.988,69.112 16.551,74.675 17.96,74.675 19.3,76.015 XP3.5@19.3,77.285 ; v1(21.205,36.645) 22.435,36.645 22.77,36.98 23.98,36.98 DD2.14@23.99,36.99
  Bottom Layer w0.25: v1(12.315,56.965) 12.315,51.458 19.935,43.838 19.935,37.102 20.392,36.645 v1(21.205,36.645) ; R15.1@17.903,81.642 17.903,78.932 19.3,77.535 XP3.5@19.3,77.285
NetDD2_16: DD2.16 R21.2 | length 5.3
  Top Layer w0.25: R21.2@19.007,36.772 19.808,36.772 20.57,36.01 20.57,35.99 DD2.16@23.99,35.99
NetDD2_17: DD2.17 R22.2 | length 5.1
  Top Layer w0.25: R22.2@19.007,35.248 19.249,35.49 DD2.17@23.99,35.49
NetDD2_21: DD2.21 R18.1 XP3.6 | length 59.5
  Top Layer w0.25: v1(11.68,57.6) 11.68,59.166 10.194,60.652 10.194,68.883 17.785,76.474 17.785,78.06 19.3,79.575 XP3.6@19.3,79.825 ; v1(20.447,33.909) 20.569,33.909 20.988,33.49 DD2.21@23.99,33.49
  Bottom Layer w0.25: v1(11.68,57.6) 11.68,51.527 19.535,43.672 19.535,34.821 v1(20.447,33.909) ; XP3.6@19.3,79.825 R18.1@19.3,81.642
NetDD2_24: DD2.24 DS1.6 XP3.1 | length 66.9
  Top Layer w0.25: v1(10.41,57.6) 10.41,58.59 9.394,59.606 9.394,69.215 14.22,74.041 XP3.1@14.22,77.285 ; v1(19.476,32.024) 20.646,32.024 21.124,32.502 22.173,32.502 22.685,31.99 DD2.24@23.99,31.99
  Bottom Layer w0.25: v1(10.41,57.6) 10.41,51.25 18.665,42.995 18.665,32.835 v1(19.476,32.024) ; DS1.6@13.09,71.57 11.68,71.57 10.287,72.963 10.287,75.384 12.188,77.285 XP3.1@14.22,77.285
NetDD2_86: DD2.86 R14.1 XP3.3 | length 92.9
  Top Layer w0.25: v1(11.045,56.965) 11.045,58.886 9.794,60.137 9.794,69.049 10.188,69.443 16.655,75.91 16.655,77.18 XP3.3@16.76,77.285 ; DD2.86@45.09,32.49 49.435,32.49 v1(49.78,32.835)
  Bottom Layer w0.25: v1(11.045,56.965) 11.045,51.597 19.135,43.507 19.135,33.635 20.57,32.2 20.57,31.565 21.078,31.057 28.317,31.057 28.825,31.565 48.51,31.565 v1(49.78,32.835) ; R14.1@15.49,81.642 15.49,78.805 16.76,77.535 XP3.3@16.76,77.285
NetDD2_87: DD2.87 R25.1 | length 2.6
  Top Layer w0.25: v1(43.43,32.962) 43.448,32.98 45.08,32.98 DD2.87@45.09,32.99
  Bottom Layer w0.25: R25.1@42.629,33.216 42.883,32.962 v1(43.43,32.962)
NetDD2_92: DD2.92 R24.2 | length 6.4
  Top Layer w0.25: DD2.92@45.09,35.49 45.1,35.5 45.885,35.5 45.887,35.502 49.411,35.502 50.41,34.503 51.072,34.503 R24.2@51.089,34.486
NetDD2_93: DD2.93 R23.2 | length 6
  Top Layer w0.25: DD2.93@45.09,35.99 51.069,35.99 R23.2@51.089,36.01
NetHL1_A: HL1.A R6.1 | length 1.5
  Top Layer w0.25: HL1.A@10.73,11.245 R6.1@12.205,11.245
NetHL2_A: HL2.A R7.1 | length 1.5
  Top Layer w0.25: HL2.A@10.73,12.515 R7.1@12.205,12.515
NetHL3_A: HL3.A R8.1 | length 1.5
  Top Layer w0.25: HL3.A@10.73,13.785 R8.1@12.205,13.785
NetHL4_A: HL4.A R9.1 | length 1.5
  Top Layer w0.25: HL4.A@10.73,15.055 R9.1@12.205,15.055
NetHL5_A: HL5.A R10.1 | length 1.5
  Top Layer w0.25: HL5.A@10.73,16.325 R10.1@12.205,16.325
NetHL6_A: HL6.A R11.1 | length 1.5
  Top Layer w0.25: HL6.A@10.73,17.595 R11.1@12.205,17.595
NetHL7_A: HL7.A R12.1 | length 1.5
  Top Layer w0.25: HL7.A@10.73,18.865 R12.1@12.205,18.865
NetHL8_A: HL8.A R13.1 | length 1.5
  Top Layer w0.25: HL8.A@10.73,20.135 R13.1@12.205,20.135
NetHL9_A: HL9.A R26.1 | length 2.2
  Top Layer w0.25: HL9.A@51.558,52.1 51.558,52.735 51.978,53.155 R26.1@52.994,53.155
NetHL12_A: HL12.A R33.1 | length 3.4
  Top Layer w0.25: HL12.A@66.505,71.316 v1(67.433,71.316)
  Bottom Layer w0.25: R33.1@66.124,69.792 66.798,69.792 67.433,70.427 v1(67.433,71.316)
NetHL13_A: HL13.A R34.1 | length 3.8
  Top Layer w0.25: HL13.A@66.124,76.396 v1(67.306,76.396)
  Bottom Layer w0.25: R34.1@66.124,77.92 67.16,77.92 67.306,77.774 v1(67.306,76.396)
NetQ1_1: Q1.1 R2.2 | length 2
  Bottom Layer w0.5: Q1.1@10.41,41.28 R2.2@10.41,43.288
NetR22_1: R22.1 TP1.1 | length 1.4
  Top Layer w0.5: TP1.1@16.125,34.74 16.131,34.74 16.468,35.076 17.135,35.076 R22.1@17.307,35.248
NetXS1_1: XS1.1 ZL3.1 | length 13.8
  Top Layer w0.25: v1(61.94,63.627) 62.987,63.627 63.28,63.92 XS1.1@64.86,63.92 64.879,63.901 66.271,63.901 v1(66.29,63.882) v1(67.309,63.882)
  Bottom Layer w0.5: ZL3.1@60.575,61.575 60.575,62.553 61.611,63.589 61.901,63.589 v1(61.94,63.627) 63.997,63.627 64.252,63.882 v1(67.309,63.882)
  other v1: 62.865,63.627
Pin1: DD2.1 XP1.29 | length 25.6
  Top Layer w0.25: XP1.29@5.33,49.98 7.362,49.98 10.425,49.98 10.5,49.905 10.5,49.265 10.575,49.19 11.175,49.19 11.25,49.265 11.25,49.905 11.325,49.98 11.925,49.98 12,49.905 12,49.265 12.075,49.19 12.675,49.19 12.75,49.265 12.75,49.905 12.825,49.98 13.425,49.98 13.5,49.905 13.5,49.265 13.575,49.19 14.175,49.19 14.25,49.265 14.25,49.905 14.325,49.98 15,49.98 15.75,49.98 16.125,49.98 22.615,43.49 DD2.1@23.99,43.49
Pin2: DD2.2 XP1.30 | length 25.6
  Top Layer w0.25: XP1.30@2.79,49.98 4.133,48.637 7.489,48.637 13.498,48.637 13.573,48.562 13.573,47.99 13.648,47.915 14.248,47.915 14.323,47.99 14.323,48.637 14.323,48.712 14.398,48.787 14.998,48.787 15.073,48.712 15.148,48.637 15.823,48.637 16.198,48.637 21.845,42.99 DD2.2@23.99,42.99
Pin3: DD2.3 XP1.27 | length 25.6
  Top Layer w0.25: XP1.27@5.33,47.44 7.235,47.44 11.175,47.44 11.25,47.515 11.25,48.046 11.325,48.121 11.925,48.121 12,48.046 12,47.44 12,46.59 12.075,46.515 12.675,46.515 12.75,46.59 12.75,47.44 12.75,47.49 12.825,47.565 13.425,47.565 13.5,47.49 13.5,47.44 13.5,46.59 13.575,46.515 14.175,46.515 14.25,46.59 14.25,47.365 14.325,47.44 15,47.44 15.75,47.44 16.125,47.44 21.075,42.49 DD2.3@23.99,42.49